# Altium PCB wrist_band_v1.0.PcbDoc (part 1 of 2) (continued)
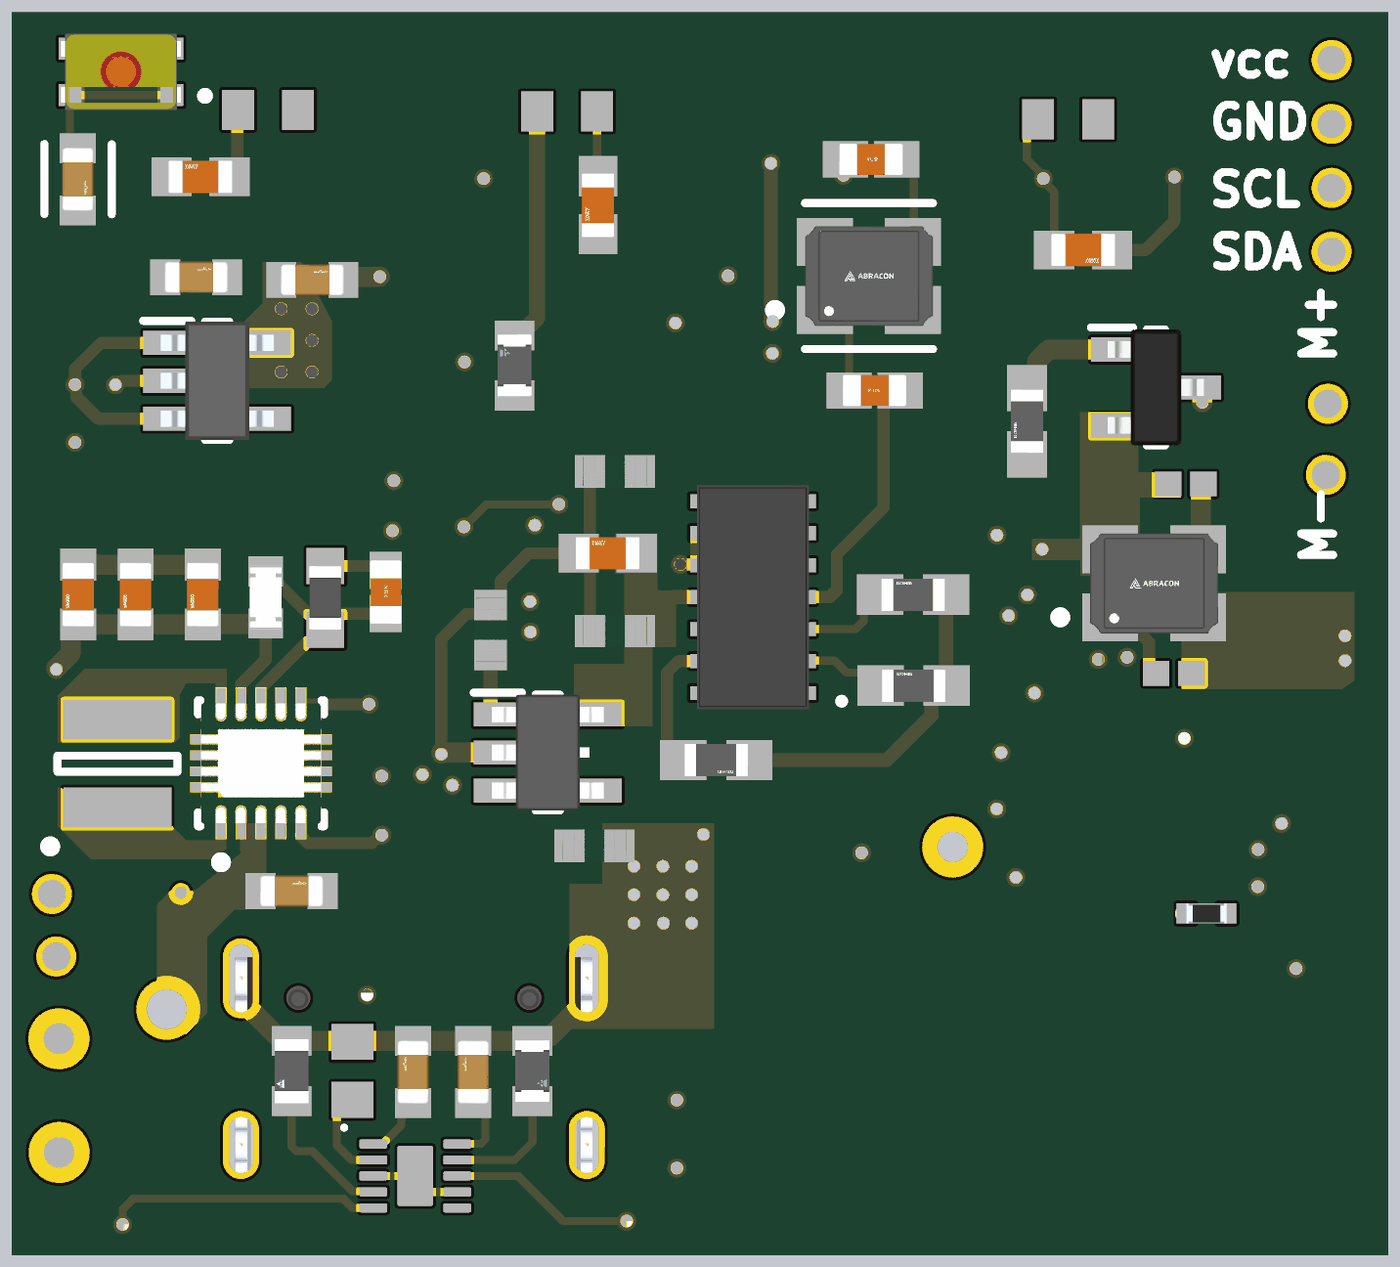
[diagram p8: 3D render of the assembled board from below, using the file's embedded part models]

## Layer stack, top to bottom
Top Solder: solder mask 0.0102, Solder Resist, Dk 3.5
Top Layer: signal copper 0.035
Dielectric 1: prepreg 0.0994, PP-015, Dk 4.1
Layer 1: signal copper 0.0152
Dielectric 4: core 0.55, PP-006, Dk 4.1
Layer 3: signal copper 0.0152
Dielectric 2: prepreg 0.1168, PP-016, Dk 4.4
Layer 4: signal copper 0.0152
Dielectric 5: core 0.55, PP-006, Dk 4.1
Layer 2: signal copper 0.0152
Dielectric 3: prepreg 0.0994, PP-015, Dk 4.1
Bottom Layer: signal copper 0.035
Bottom Solder: solder mask 0.0102, Solder Resist, Dk 3.5

## Board outline
0,0.5 ccw(c0.5,0.5) 0.5,0 33.684,0 33.684,0.004 ccw(c33.684,0.504) 34.184,0.504 34.184,30.304 34.184,30.354 ccw(c33.684,30.354) 33.684,30.854 33.684,30.847 0.509,30.847 ccw(c0.509,30.347) 0.009,30.347 0,30.3

## Design rules (kind name [scope] priority, off if disabled: settings)
BoardOutlineClearance [All] p1: gap=0.2 ignorepadtopadclearanceinfootprint=FALSE
Clearance [All] p1: gap=0.089 ignorepadtopadclearanceinfootprint=FALSE except(0.127: Arc-Via Track-Via SMDPad-Via THPad-Via Via-Via Via-Fill Via-Poly Via-Region Via-Text; 0.2: Arc-Hole Track-Hole SMDPad-Hole THPad-Hole Via-Hole Fill-Hole Poly-Hole Region-Hole Text-Hole)
ComponentClearance [All] p1: gap=0.089 collisioncheckmode=3 verticalgap=0.089 showdistances=TRUE
DiffPairsRouting [All] p1: maxlimit=0.089 minlimit=0.089 mostfreqgap=0.089 toplayer_minwidth=0.089 toplayer_maxwidth=1816.048 toplayer_prefwidth=0.089 midlayer1_minwidth=0.089 midlayer1_maxwidth=1816.048 midlayer1_prefwidth=0.089 midlayer2_minwidth=0.089 midlayer2_maxwidth=1816.048 midlayer2_prefwidth=0.089 midlayer3_minwidth=0.089 midlayer3_maxwidth=1816.048 midlayer3_prefwidth=0.089 midlayer4_minwidth=0.089 midlayer4_maxwidth=1816.048 midlayer4_prefwidth=0.089 bottomlayer_minwidth=0.089 bottomlayer_maxwidth=1816.048 bottomlayer_prefwidth=0.089 maxuncoupledlength=12.7
Height [All] p1: minheight=0 maxheight=1816.048 prefheight=12.7
HoleSize [All] p1: absolutevalues=TRUE maxlimit=6.3 minlimit=0.2 maxpercent=80.000 minpercent=20.000
HoleToHoleClearance [All] p1: gap=0.25 allowstackedmicrovias=FALSE
MinimumAnnularRing [All] p1: minimumring=0.076
MinimumSolderMaskSliver [All] p1: minsoldermaskwidth=0
PlaneClearance [All] p1: clearance=0.089
PlaneConnect PlaneConnectPowerPads [InPadClass('PowerPads')] p1: planeconnectstyle=Direct reliefexpansion=0.508 reliefentries=4 reliefconductorwidth=0.254 reliefairgap=0.254
PlaneConnect [All] p2: pad.planeconnectstyle=Relief pad.reliefexpansion=0.3 pad.reliefentries=4 pad.reliefconductorwidth=0.089 pad.reliefairgap=0.089 via.planeconnectstyle=Direct via.reliefexpansion=0.3 via.reliefentries=4 via.reliefconductorwidth=0.127 via.reliefairgap=0.127
PolygonConnect PolygonConnectPowerPads [All vs (InPadClass('PowerPads'))] p1: connectstyle=Direct reliefconductorwidth=0.254 reliefentries=4 polygonreliefangle="90 Angle" airgapwidth=0.254
PolygonConnect [All] p2: thpad.connectstyle=Relief thpad.reliefconductorwidth=0.089 thpad.reliefentries=4 thpad.polygonreliefangle="90 Angle" thpad.airgapwidth=0.089 smdpad.connectstyle=Relief smdpad.reliefconductorwidth=0.089 smdpad.reliefentries=4 smdpad.polygonreliefangle="90 Angle" smdpad.airgapwidth=0.089 via.connectstyle=Direct via.reliefconductorwidth=0.127 via.reliefentries=4 via.polygonreliefangle="90 Angle" via.airgapwidth=0.127
RoutingVias [All] p1: holewidth=0.2 width=0.45 viastyle="Through Hole" minholewidth=0.2 minwidth=0.45 maxholewidth=6.3 maxwidth=6.55
SilkToSilkClearance [All] p1: silktosilkclearance=0
SilkToSolderMaskClearance [IsPad] p1: minsilkscreentomaskgap=0.089 clearancetoexposedcopper=TRUE
SolderMaskExpansion [All] p1: expansion=0.075 istentingtop=FALSE
Width [All] p1: maxlimit=1816.048 minlimit=0.089 preferedwidth=0.089
20 further rules are at their usual default settings.

## Classes and differential pairs
component class Designator: C40 C41 J1 R20 R21 R22 R23 U4
component class "Pulse Oximeter": A1 A? C28 C29 C30 C31 C32 C33 C34 C35 C36 C37 C38 C39 IC4 L2 L3 L4 R18 R19 Y2
component class "Vibration Motor": C15 D1 Q1 R10 R11
component class "Battery Charger": C13 C14 LED1 LED2 R5 R6 R7 R8 R9 U2
component class "Pulse Oximeter": C8 C9 C10 C11 C12 IC1 IC2 R2 R3 R4
component class Navigation_Buttons: C25 C26 C27 R15 R16 R17
component class MCU: C1 C2 C3 C4 C5 C6 C7 R1 SW1 U1 Y1
component class "DC DC converters": C16 C17 C18 C19 C20 C21 C22 C23 C24 IC3 L1 R12 R13 R14 U3

## Components (designator, comment, footprint, x,y, rotation, side; value= is the part's Value field where it differs from the comment)
A1 "2.4GHz antena" Antena 0.229,5.39 r0 top net-tie
C1 "GRM188R61A106KE69D" FP-GRM18-0_15-MFG 32.65,26.802 r270 bottom value=10uF
C2 "GRM188R61A106KE69D" FP-GRM18-0_15-MFG 16.383,23.513 r90 top value=10uF
C3 "CL10B104KB8NNND" FP-CL10-IPC_A 15.265,9.122 r270 top
C4 "GRM188R61A106KE69D" FP-GRM18-0_15-MFG 14.229,23.519 r90 top value=10uF
C5 "CL10B104KB8NNND" FP-CL10-IPC_A 13.04,9.127 r270 top
C6 "C1608C0G1H220J080AA" FP-C1608-080-0_1-IPC_B 12.717,21.519 r180 bottom
C7 "C1608C0G1H220J080AA" FP-C1608-080-0_1-IPC_B 12.806,27.302 r0 bottom
C8 "CL10A105KP8NNNC" FP-CL10-IPC_C 22.324,15.527 r90 bottom
C9 "CL10A105KP8NNNC" FP-CL10-IPC_C 19.726,10.128 r180 bottom
C10 "CL10A105KP8NNNC" FP-CL10-IPC_C 19.21,15.504 r0 bottom
C11 "06036D106MAT2A" FP-0603-L_1_6_0_15-W_0_81-IPC_B 19.395,17.447 r0 bottom
C12 "CL10A105KP8NNNC" FP-CL10-IPC_C 19.214,19.494 r0 bottom
C13 "GRM188R61A106KE69D" FP-GRM18-0_15-MFG 22.759,4.469 r90 bottom value=10uF
C14 "GRM188R61A106KE69D" FP-GRM18-0_15-MFG 24.265,4.469 r90 bottom value=10uF
C15 "CL10B104KB8NNND" FP-CL10-IPC_A 3.659,21.189 r0 top
C16 "GRM188R61A106KE69D" FP-GRM18-0_15-MFG 30.845,8.961 r0 top value=10uF
C17 "GRM188R61A106KE69D" FP-GRM18-0_15-MFG 27.301,8.996 r180 bottom value=10uF
C18 "CL10B104KB8NNND" FP-CL10-IPC_A 24.538,13.672 r180 top
C19 "CC0603MRX5R5BB226" FP-CC0603-DC-MFG 29.523,16.413 r90 bottom
C20 "CC0603MRX5R5BB226" FP-CC0603-DC-MFG 31.204,16.413 r90 bottom
C21 "CC0603MRX5R5BB226" FP-CC0603-DC-MFG 32.641,16.413 r90 bottom
C22 "C1608C0G1H100D080AA" FP-C1608-080-0_1-IPC_C 24.945,16.477 r270 bottom
C23 "GRM188R61A106KE69D" FP-GRM18-0_15-MFG 26.783,24.287 r180 bottom value=10uF
C24 "GRM188R61A106KE69D" FP-GRM18-0_15-MFG 29.688,24.349 r180 bottom value=10uF
C25 "06036D106MAT2A" FP-0603-L_1_6_0_15-W_0_81-IPC_B 7.499,25.034 r180 bottom
C26 "06036D106MAT2A" FP-0603-L_1_6_0_15-W_0_81-IPC_B 29.58,26.862 r0 bottom
C27 "06036D106MAT2A" FP-0603-L_1_6_0_15-W_0_81-IPC_B 19.637,26.152 r270 bottom
C28 "GRM155R71C103KA01D" CAPC1005X55N 5.427,8.434 r0 top
C29 "GRM1555C1H911JA01D" CAPC1005X55N 5.441,7.43 r0 top
C30 "CL05A106MP5NUNC" FP-CL05A106MP5NUNC-MFG 5.422,6.438 r180 top value=10uF
C31 "GRM155R71C103KA01D" CAPC1005X55N 3.121,9.569 r90 top
C32 "GRM155R71C333KA01D" CAPC1005X55N 7.347,8.413 r180 top
C33 "GJM1555C1H1R5WB01D" CAPC1005X55N 2.609,7.998 r0 top
C34 "GJM1555C1H1R0WB01D" CAPC1005X55N 2.674,7.007 r0 top
C35 "GCM155R71H222KA37D" CAPC1005X55N 2.501,14.361 r0 top
C36 "GRM1555C1H4R7CA01D" CAPC1005X55N 2.488,15.343 r0 top
C37 "GRM155R71C103KA01D" CAPC1005X55N 6.863,14.87 r0 top
C38 "GRM1555C1H220JA01D" CAPC1005X55X25NL05T10 5.23,14.44 r0 bottom
C39 "GRM1555C1H220JA01D" CAPC1005X55X25NL05T10 4.935,19.18 r180 bottom
C40 "GRM188R71H104KA93D" CAPC1608X90X35ML10T15 32.719,20.942 r90 top
C41 "GRM188R71H104KA93D" CAPC1608X90X35ML10T15 32.732,17.12 r270 top
D1 "MBR120ESFT1G" On_Semiconductor_498_MFG 3.077,23.02 r0 top
IC1 "TPS7A2018PDBVR" SOT95P280X145-5N 20.893,12.461 r180 bottom
IC2 "MAX30102EFD+" 14-LEAD-OESIP 15.76,16.349 r0 bottom
IC3 "AP2204K-3.3TRG1" SOT95P282X145-5N 29.164,21.761 r180 bottom
IC4 "NRF24L01-REEL7" QFN50P400X400X80-21N-D 5.67,11.815 r180 top
J1 "TYPE-C-31-M-12" HRO_TYPE-C-31-M-12 24.242,2.644 r0 top
L1 "SRN3015-1R0Y" BOUR-SRN3015-2_V 31.657,12.182 r90 bottom
L2 "ATFC-0402HQ-3N9B-T" INDC1005X37N 1.773,9.673 r270 top
L3 "LQG15HS8N2H02D" LQG15WH0N7B02D 1.748,11.572 r270 top
L4 "MLG1005S0N3BT000" MLG1005 2.547,13.41 r0 top
LED1 "ASCKCR00-BU5V5020402" ASCKCR00BU5V5020402 18.154,0.741 r180 top
LED2 "ASCKCR00-BU5V5020402" ASCKCR00BU5V5020402 30.729,0.657 r180 top
Q1 "SI2302DS" SOT95P230X110-3N 5.68,21.594 r180 bottom
R1 "CRCW060310K0FKEAHP" FP-CRCW0603-HPe3-MFG 21.724,22.146 r90 bottom
R2 "ESR03EZPJ472" FP-ESR03-IPC_A 11.754,16.408 r180 bottom
R3 "ESR03EZPJ472" FP-ESR03-IPC_A 16.678,12.273 r0 bottom
R4 "ESR03EZPJ472" FP-ESR03-IPC_A 11.74,14.133 r180 bottom
R5 "RT0603FRE071K5L" FP-RT0603-MFG 17.664,2.918 r90 top value=1.5KΩ
R6 "RT0603FRE071K5L" FP-RT0603-MFG 30.411,3.146 r90 top value=1.5KΩ
R7 "CRCW06031K00FKEAHP" FP-CRCW0603-HPe3-MFG 27.301,4.494 r270 bottom
R8 "CRCW060310K0FKEAHP" FP-CRCW0603-HPe3-MFG 21.278,4.494 r270 bottom
R9 "ERJ-3EKF5490V" RESC1608X55X30ML15T15 25.778,4.497 r270 bottom
R10 "ESR03EZPF1001" FP-ESR03-IPC_A 8.905,20.751 r90 bottom
R11 "CRCW0603100KJNEA" FP-CRCW0603-e3-IPC_C 8.905,22.042 r270 top
R12 "ERJ-3EKF1004V" FP-ERJ3EK-IPC_C 27.947,16.341 r270 bottom
R13 "ERJ-3EKF1004V" FP-ERJ3EK-IPC_C 25.046,11.224 r90 top
R14 "RN73H1JTTD1113D25" RESC1608X55N 26.456,16.329 r270 bottom
R15 "RC0603JR-0710KL" RESC1608X55X25ML10T15#1 7.876,28.301 r180 bottom
R16 "RC0603JR-0710KL" RESC1608X55X25ML10T15#2 27.889,28.54 r180 bottom
R17 "RC0603JR-0710KL" RESC1608X55X25ML10T15#2 20.409,28.503 r0 bottom
R18 "ERA-2AEB223X" ERA2AED122X 4.415,8.434 r0 bottom
R19 "RC0402FR-071ML" RESC1005X40N 5.723,16.695 r90 top
R20 "RC0603FR-071KL" FP-RC0603-0_55-IPC_C 22.991,18.784 r90 top
R21 "RC0603FR-071KL" FP-RC0603-0_55-IPC_C 22.974,21.556 r270 top
R22 "CRCW06035K10FKEA" FP-CRCW0603-e3-IPC_C 21.914,9.216 r0 top
R23 "CRCW06035K10FKEA" FP-CRCW0603-e3-IPC_C 25.87,9.036 r0 top
SW1 "USLPT2819DT2TR" USLPT2819DT2TR 31.568,29.489 r0 bottom
U1 "ATMEGA328P-AU" ATML-32A_M 15.685,16.67 r270 top
U2 "BQ24040DSQR" DSQ0010A_V 24.207,1.87 r180 bottom
U3 "TPS63060DSCR" FP-DSC0010G-MFG 28.067,12.192 r90 bottom
U4 "CH340C" SOIC127P600X180-16N 27.844,19.92 r0 top
Y1 "ABM8G-16.000MHZ-B4Y-T" FP-ABM8G-MFG 12.858,24.381 r180 bottom
Y2 "ABM8G-16.000MHZ-18-D2Y-T" FP-ABM8G-MFG 5.723,16.695 r180 bottom

## Footprints (in the part's own frame and the unit in brackets; to place one, negate y for a bottom-side part, rotate by r counter-clockwise, add the part's x,y. Pads: shape width x height; smd on the part's side, far side on the other; paste and mask are expansions set on the pad)
14-LEAD-OESIP [mm]
  rect 0.75x0.35 smd: 1(-1.2,2.4) 2(-1.2,1.6) 3(-1.2,0.8) 4(-1.2,0) 5(-1.2,-0.8) 6(-1.2,-1.6) 7(-1.2,-2.4) 8(1.2,-2.4) 9(1.2,-1.6) 10(1.2,-0.8) 11(1.2,0) 12(1.2,0.8) 13(1.2,1.6) 14(1.2,2.4)
  silkscreen extent -2.28,2.54 -2.16,2.66, body extent -1.4,-2.8 1.4,2.8, height 1.3
Antena [mil] "2.4GHz antena"
  round 10 smd: 1(120,15) 2(35,15)
  Top Layer region: 566.93,-193.19 586.61,-193.19 586.61,-18.39 566.93,-18.39
  Top Layer region: 480.32,-173.48 480.32,-193.16 586.61,-193.16 586.61,-173.48
  Top Layer region: 480.32,-193.22 500,-193.22 500,-69.6 480.32,-69.6
  Top Layer region: 381.9,-69.57 381.9,-89.25 500.01,-89.25 500.01,-69.57
  Top Layer region: 381.89,-193.22 401.57,-193.22 401.57,-69.6 381.89,-69.6
  Top Layer region: 295.28,-173.48 295.28,-193.16 401.57,-193.16 401.57,-173.48
  Top Layer region: 295.28,-193.22 314.96,-193.22 314.96,-69.6 295.28,-69.6
  Top Layer region: 196.85,-193.22 216.53,-193.22 216.53,-69.6 196.85,-69.6
  Top Layer region: 19.68,-193.19 55.12,-193.19 55.12,19.41 19.68,19.41
  Top Layer region: 110.24,-193.22 129.92,-193.22 129.92,19.38 110.24,19.38
  Top Layer region: 19.68,-173.48 19.68,-193.16 216.54,-193.16 216.54,-173.48
  Top Layer region: 196.86,-69.57 196.86,-89.25 314.97,-89.25 314.97,-69.57
  Keep-Out Layer region: 0.01,-204.72 598.43,-204.72 598.43,0 0.01,0
ASCKCR00BU5V5020402 [mm]
  rect 0.87x0.5 smd: 1(-0.765,0)
  rect 1.3x0.5 smd: 2(0.55,0)
  silkscreen extent -1.91,-0.56 -1.81,-0.46, body extent -0.8,0 0.8,0.55, height 0.4
ATML-32A_M [mm] "TQFP, 32-Leads, Body 7x7mm, Pitch 0.8mm, IPC Low Density"
  oval 1.7x0.6 smd: 1(-4.35,2.8) 2(-4.35,2) 3(-4.35,1.2) 4(-4.35,0.4) 5(-4.35,-0.4) 6(-4.35,-1.2) 7(-4.35,-2) 8(-4.35,-2.8) 17(4.35,-2.8) 18(4.35,-2) 19(4.35,-1.2) 20(4.35,-0.4) 21(4.35,0.4) 22(4.35,1.2) 23(4.35,2) 24(4.35,2.8)
  oval 0.6x1.7 smd: 9(-2.8,-4.35) 10(-2,-4.35) 11(-1.2,-4.35) 12(-0.4,-4.35) 13(0.4,-4.35) 14(1.2,-4.35) 15(2,-4.35) 16(2.8,-4.35) 25(2.8,4.35) 26(2,4.35) 27(1.2,4.35) 28(0.4,4.35) 29(-0.4,4.35) 30(-1.2,4.35) 31(-2,4.35) 32(-2.8,4.35)
  silkscreen extent -4.47,-3.1 3.1,3.77, body extent -4.5,-4.5 4.5,4.5, height 1.2
BOUR-SRN3015-2_V [mm] "SMD, 2-Leads, Body 3x3mm, Height 1.5mm"
  rect 1x2.7 smd: 1(-1.1,0) 2(1.1,0)
  silkscreen extent -2.19,-1.5 0.2,1.81, body extent -1.5,-1.5 1.5,1.5, height 1.5
CAPC1005X55N [mm]
  rect 0.6x0.62 smd: 1(-0.46,0) 2(0.46,0)
  body extent -0.5,-0.25 0.5,0.25, height 0.55
CAPC1005X55X25NL05T10 [mm] "Chip Capacitor, 2-Leads, Body 1.00x0.50mm, IPC Medium Density"
  rect 0.66x0.62 smd: 1(-0.44,0) 2(0.44,0)
  body extent -0.53,-0.28 0.53,0.27, height 0.55
CAPC1608X90X35ML10T15 [mm] "Chip Capacitor, 2-Leads, Body 1.7x0.9mm, IPC Low Density"
  rect 0.95x1.05 smd: 1(-0.725,0) 2(0.725,0)
  body extent -0.85,-0.45 0.85,0.45, height 0.9
DSQ0010A_V [mm] "SON, 10-Leads, Body 2x2mm, Pitch 0.4mm, Thermal Pad 1.5x0.9mm"
  rrect43% 0.7x0.23 smd: 1(-1.05,0.8) 2(-1.05,0.4) 3(-1.05,0) 4(-1.05,-0.4) 5(-1.05,-0.8) 6(1.05,-0.8) 7(1.05,-0.4) 8(1.05,0) 9(1.05,0.4) 10(1.05,0.8)
  rrect11% 0.9x1.5 smd: 11(0,0)
  silkscreen extent -1.83,1.16 -1.73,1.26, body extent -1,-1 1,1, height 0.8
ERA2AED122X [mm]
  rect 0.475x0.5 smd: 1(-0.512,0) 2(0.512,0)
  body extent -0.5,-0.25 0.5,0.25, height 0.35
FP-0603-L_1_6_0_15-W_0_81-IPC_B [mm]
  rect 1.007x0.968 smd paste+0 mask+0: 1(-0.726,0) 2(0.726,0)
  body extent -0.8,-0.41 0.8,0.41, height 0.94
FP-ABM8G-MFG [mm]
  rect 1.4x1.2 smd paste+0 mask+0: 1(-1.1,-0.85) 2(1.1,-0.85) 3(1.1,0.85) 4(-1.1,0.85)
  silkscreen extent -2.48,-1.82 1.6,1.82, body extent -1.6,-1.25 1.6,1.25, height 1
FP-C1608-080-0_1-IPC_B [mm]
  rect 1.131x0.912 smd paste+0 mask+0: 1(-0.641,0) 2(0.641,0)
  body extent -0.8,-0.4 0.8,0.4, height 0.9
FP-C1608-080-0_1-IPC_C [mm]
  rect 0.931x0.812 smd paste+0 mask+0: 1(-0.541,0) 2(0.54,0)
  body extent -0.8,-0.4 0.8,0.4, height 0.9
FP-CC0603-DC-MFG [mm]
  rect 0.8x0.9 smd paste+0 mask+0: 1(-0.75,0) 2(0.75,0)
  body extent -0.8,-0.4 0.8,0.4, height 1
FP-CL05A106MP5NUNC-MFG [mm]
  rect 0.45x0.675 smd paste+0 mask+0: 1(-0.462,0) 2(0.462,0)
  body extent -0.79,-0.45 0.79,0.45, height 0.25
FP-CL10-IPC_A [mm]
  rect 1.158x1.012 smd paste+0 mask+0: 1(-0.827,0) 2(0.827,0)
  body extent -1.91,-1.01 1.91,1.01, height 0.25
FP-CL10-IPC_C [mm]
  rect 0.758x0.812 smd paste+0 mask+0: 1(-0.627,0) 2(0.627,0)
  body extent -0.8,-0.4 0.8,0.4, height 0.9
FP-CRCW0603-e3-IPC_C [mm]
  rect 0.735x0.862 smd paste+0 mask+0: 1(-0.615,0) 2(0.615,0)
  body extent -0.77,-0.43 0.77,0.43, height 0.5
FP-CRCW0603-HPe3-MFG [mm]
  rect 0.75x1 smd paste+0 mask+0: 1(-0.75,0) 2(0.75,0)
  body extent -0.77,-0.43 0.77,0.43, height 0.55
FP-DSC0010G-MFG [mm]
  round 0.252 smd paste-1000 mask+0: 1(-1.475,1) 2(-1.475,0.5) 3(-1.76,0) 4(-1.76,-0.5) 5(-1.76,-1) 6(1.475,-1) 7(1.475,-0.5) 8(1.75,0) 9(1.75,0.5) 10(1.75,1)
  round 1.53 smd paste-1000 mask+0: 11(0,0)
  Top Layer region: -1.9,0.64 -1.19,0.64 -1.136,0.629 -1.091,0.599 -1.061,0.554 -1.05,0.5 -1.05,0.5 -1.061,0.446 -1.091,0.401 -1.136,0.371 -1.19,0.36 -1.19,0.36 -1.9,0.36
  Top Layer region: -1.9,0.14 -1.19,0.14 -1.136,0.129 -1.091,0.099 -1.061,0.054 -1.05,0 -1.05,0 -1.061,-0.054 -1.091,-0.099 -1.136,-0.129 -1.19,-0.14 -1.19,-0.14 -1.9,-0.14
  Top Layer region: 1.9,0.86 1.19,0.86 1.136,0.871 1.091,0.901 1.061,0.946 1.05,1 1.05,1 1.061,1.054 1.091,1.099 1.136,1.129 1.19,1.14 1.19,1.14 1.9,1.14
  Top Layer region: 1.9,0.36 1.19,0.36 1.136,0.371 1.091,0.401 1.061,0.446 1.05,0.5 1.05,0.5 1.061,0.554 1.091,0.599 1.136,0.629 1.19,0.64 1.19,0.64 1.9,0.64
  Top Layer region: 1.9,-0.14 1.19,-0.14 1.136,-0.129 1.091,-0.099 1.061,-0.054 1.05,0 1.05,0 1.061,0.054 1.091,0.099 1.136,0.129 1.19,0.14 1.19,0.14 1.9,0.14
  Top Layer region: 1.9,-0.64 1.19,-0.64 1.136,-0.629 1.091,-0.599 1.061,-0.554 1.05,-0.5 1.05,-0.5 1.061,-0.446 1.091,-0.401 1.136,-0.371 1.19,-0.36 1.19,-0.36 1.9,-0.36
  Top Layer region: 1.9,-1.14 1.19,-1.14 1.136,-1.129 1.091,-1.099 1.061,-1.054 1.05,-1 1.05,-1 1.061,-0.946 1.091,-0.901 1.136,-0.871 1.19,-0.86 1.19,-0.86 1.9,-0.86
  Top Layer region: -1.9,-0.86 -1.19,-0.86 -1.136,-0.871 -1.091,-0.901 -1.061,-0.946 -1.05,-1 -1.05,-1 -1.061,-1.054 -1.091,-1.099 -1.136,-1.129 -1.19,-1.14 -1.19,-1.14 -1.9,-1.14
  Top Layer region: -1.9,-0.36 -1.19,-0.36 -1.136,-0.371 -1.091,-0.401 -1.061,-0.446 -1.05,-0.5 -1.05,-0.5 -1.061,-0.554 -1.091,-0.599 -1.136,-0.629 -1.19,-0.64 -1.19,-0.64 -1.9,-0.64
  Top Layer region: -1.9,1.14 -1.19,1.14 -1.136,1.129 -1.091,1.099 -1.061,1.054 -1.05,1 -1.05,1 -1.061,0.946 -1.091,0.901 -1.136,0.871 -1.19,0.86 -1.19,0.86 -1.9,0.86
  Top Layer region: -0.85,1.075 -0.725,1.075 -0.725,1.775 -0.475,1.775 -0.475,1.075 -0.325,1.075 -0.325,1.775 -0.075,1.775 -0.075,1.075 0.075,1.075 0.075,1.775 0.325,1.775 0.325,1.075 0.475,1.075 0.475,1.775 0.725,1.775 0.725,1.075 0.85,1.075 0.85,-1.075 0.725,-1.075 0.725,-1.775 0.475,-1.775 0.475,-1.075 0.325,-1.075 0.325,-1.775 0.075,-1.775 0.075,-1.075 -0.075,-1.075 -0.075,-1.775 -0.325,-1.775 -0.325,-1.075 -0.475,-1.075 -0.475,-1.775 -0.725,-1.775 -0.725,-1.075 -0.85,-1.075
  silkscreen extent -2.6,-1.57 1.58,1.58, body extent -1.5,-1.5 1.5,1.5, height 0.8
FP-ERJ3EK-IPC_C [mm]
  rect 0.757x0.862 smd paste+0 mask+0: 1(-0.651,0) 2(0.651,0)
  body extent -0.8,-0.4 0.8,0.4, height 0.55
FP-ESR03-IPC_A [mm]
  rect 1.158x1.012 smd paste+0 mask+0: 1(-0.827,0) 2(0.827,0)
  body extent -0.8,-0.4 0.8,0.4, height 0.55
FP-GRM18-0_15-MFG [mm]
  rect 0.75x0.9 smd paste+0 mask+0: 1(-0.775,0) 2(0.775,0)
  silkscreen extent -0.88,-0.83 0.87,0.85, body extent -0.8,-0.4 0.8,0.4, height 0.95
FP-RC0603-0_55-IPC_C [mm]
  rect 0.659x0.812 smd paste+0 mask+0: 1(-0.677,0) 2(0.677,0)
  silkscreen extent -1.01,-0.85 1.01,0.85, body extent -1.11,-0.55 1.11,0.55, height 0.25
FP-RT0603-MFG [mm]
  rect 0.9x0.8 smd paste+0 mask+0: 1(-0.85,0) 2(0.85,0)
  body extent -0.76,-0.4 0.84,0.4, height 0.58
HRO_TYPE-C-31-M-12 [mm]
  rect 0.6x1.14 smd mask+0.05: A1_B12(-3.2,4.75) A4_B9(-2.4,4.75) B1_A12(3.2,4.75) B4_A9(2.4,4.75)
  rect 0.3x1.14 smd mask+0.05: A5(-1.25,4.75) A6(-0.25,4.75) A7(0.25,4.75) A8(1.25,4.75) B5(1.75,4.75) B6(0.75,4.75) B7(-0.75,4.75) B8(-1.75,4.75)
  oval 0.9x2 hole 0.6 slot 1.7 at 90 deg: S1(-4.325,4.17) S2(4.325,4.17)
  oval 0.9x1.7 hole 0.6 slot 1.4 at 90 deg: S3(-4.325,0) S4(4.325,0)
  round 0.6 hole 0.6 unplated: ""(-2.89,3.68) ""(2.89,3.68)
  silkscreen extent -4.47,1.17 4.47,2.85, body extent -4.47,-2.6 4.47,5.31, height 3.31
INDC1005X37N [mm]
  rect 0.7x0.6 smd: 1(-0.55,0) 2(0.55,0)
  body extent -0.5,-0.25 0.5,0.25, height 0.37
LQG15WH0N7B02D [mm]
  rect 0.35x0.65 smd: 1(-0.425,0) 2(0.425,0)
  body extent -0.5,-0.25 0.5,0.25, height 0.55
MLG1005 [mm]
  rect 0.5x0.5 smd: 1(-0.45,0) 2(0.45,0)
  silkscreen extent -1.1,-0.05 -1,0.05, body extent -0.5,-0.25 0.5,0.25, height 0.5
On_Semiconductor_498_MFG [mm]
  rect 1.25x1.22 smd paste+0 mask+0: 1(-1.475,0) 2(1.475,0)
  silkscreen extent -2.32,0.88 -2.08,1.12, body extent -1.8,-0.82 1.8,0.82, height 0.98
QFN50P400X400X80-21N-D [mm]
  rect 0.85x0.3 smd: 1(-1.95,1) 2(-1.95,0.5) 3(-1.95,0) 4(-1.95,-0.5) 5(-1.95,-1) 11(1.95,-1) 12(1.95,-0.5) 13(1.95,0) 14(1.95,0.5) 15(1.95,1)
  rect 0.3x0.85 smd: 6(-1,-1.95) 7(-0.5,-1.95) 8(0,-1.95) 9(0.5,-1.95) 10(1,-1.95) 16(1,1.95) 17(0.5,1.95) 18(0,1.95) 19(-0.5,1.95) 20(-1,1.95)
  silkscreen extent -2.5,1.63 -2.25,1.87, body extent -2.05,-2.05 2.05,2.05, height 0.8
RESC1005X40N [mm]
  rect 0.7x0.6 smd: 1(-0.55,0) 2(0.55,0)
  body extent -0.51,-0.25 0.51,0.25, height 0.4
RESC1608X55N [mm]
  rect 0.9x0.95 smd: 1(-0.8,0) 2(0.8,0)
  body extent -0.8,-0.4 0.8,0.4, height 0.55
RESC1608X55X25ML10T15#1 [mm] "Chip Resistor, 2-Leads, Body 1.60x0.80mm, IPC Low Density"
  rect 0.8x1 smd: 1(-0.75,0)
  rect 0.8x1 smd mask+0.075: 2(0.75,0)
  body extent -0.85,-0.45 0.85,0.45, height 0.55
RESC1608X55X25ML10T15#2 [mm] "Chip Resistor, 2-Leads, Body 1.60x0.80mm, IPC Low Density"
  rect 0.8x1 smd: 1(-0.75,0) 2(0.75,0)
  body extent -0.85,-0.45 0.85,0.45, height 0.55
RESC1608X55X30ML15T15 [mm] "Chip Resistor, 2-Leads, Body 1.60x0.80mm, IPC Low Density"
  rect 0.9x1.05 smd: 1(-0.725,0) 2(0.725,0)
  body extent -0.87,-0.48 0.87,0.48, height 0.55
SOIC127P600X180-16N [mm]
  rrect25% 1.31x0.62 smd: 1(-2.75,4.445) 2(-2.75,3.175) 3(-2.75,1.905) 4(-2.75,0.635) 5(-2.75,-0.635) 6(-2.75,-1.905) 7(-2.75,-3.175) 8(-2.75,-4.445) 9(2.75,-4.445) 10(2.75,-3.175) 11(2.75,-1.905) 12(2.75,-0.635) 13(2.75,0.635) 14(2.75,1.905) 15(2.75,3.175) 16(2.75,4.445)
  silkscreen extent -2.85,-5 1.78,5.85, body extent -3,-5 3,5, height 1.8
SOT95P230X110-3N [mm]
  rect 1.05x0.6 smd: 1(-1.1,0.95) 2(-1.1,-0.95) 3(1.1,0)
  silkscreen extent -1.62,-1.45 0.22,1.5, body extent -1.2,-1.45 1.2,1.45, height 0.95
SOT95P280X145-5N [mm]
  rect 1.2x0.6 smd: 1(-1.25,0.95) 2(-1.25,0) 3(-1.25,-0.95) 4(1.25,-0.95) 5(1.25,0.95)
  silkscreen extent -1.85,-1.45 0.3,1.5, body extent -1.4,-1.45 1.4,1.45, height 1.2
SOT95P282X145-5N [mm]
  rect 1.2x0.6 smd: 1(-1.25,0.95) 2(-1.25,0) 3(-1.25,-0.95) 4(1.25,-0.95) 5(1.25,0.95)
  silkscreen extent -1.85,-1.48 0.3,1.5, body extent -1.41,-1.48 1.41,1.48, height 1.45
USLPT2819DT2TR [mm]
  rect 0.57x0.55 smd: T1(-1.275,0.58) T2(1.275,0.58) T3(-1.275,-0.58) T4(1.275,-0.58)
  silkscreen extent -2.2,0.5 -2,0.7, body extent -1.5,-0.95 1.5,0.95, height 0.6

## Part data
C1 C2 C4 C13 C14 C16 C17 C23 C24: library part CMP-2000-05448-2, "CAP CER 10UF 10V X5R 0603", Capacitance=10uF, Manufacturer=Murata, Package=GRM18-0.15, Temperature="-55°C to +85°C", Temperature Characteristic=X5R, Temperature Coefficient=15%, Temperature Range High=+85°C, Temperature Range Low=-55°C, Tolerance=10%, Voltage Rating=10V, Automotive=No, Category=Cap, ComponentLink2Description=Datasheet, ComponentLink2URL=https://search.murata.co.jp/Ceramy/image/img/A01X/G101/ENG/GRM188R61A106KE69-01A.pdf, Device Class L1="Passive Components", Device Class L2=Capacitors, Device Class L3="Ceramic Capacitors", Digikey Description="CAP CER 10UF 10V X5R 0603", Height=0.95mm, Lead Free=Yes, Manufacturer Part Number=GRM188R61A106KE69D, Material=Ceramic, Mouser Description="Multilayer Ceramic Capacitors MLCC - SMD/SMT 0603 10uF 10volts X5R + - 10%", Octopart=https://octopart.com/grm188r61a106ke69d-murata-22851381, RoHS=TRUE
C3 C5 C15 C18: library part CMP-13271-000587-1, "Cap Ceramic 100nF 50V X7R ±10% Pad SMD 0603 +125°C T/R", Capacitance=100nF, Case/Package=0603, Dielectric=X7R, Max Operating Temperature=125°C, Min Operating Temperature=-55°C, Package Quantity=10000, Tolerance=10%, Voltage=50V, Depth=0.8mm, Height=0.8mm, Lead Free="Lead Free", Length=1.6mm, Material=Ceramic, Mount="Surface Mount", Packaging="Tape and Reel", Radiation Hardening=No, Thickness=0.035inch, Voltage Rating=50V, Voltage Rating (DC)=50V, Width=0.031inch
C6 C7: library part CMP-2000-06024-2, "CAP CER 22PF 50V C0G 0603", Capacitance=22pF, Case Code (Imperial)=0603, Case Code (Metric)=1608, Dielectric=C0G, Dielectric Material=Ceramic, Max Operating Temperature=125°C, Min Operating Temperature=-55°C, Package Quantity=1, Temperature Coefficient=30ppm/°C, Tolerance=5%, Voltage=50V, Case/Package=0603, Construction=Flat, Depth=0.8mm, Height=0.8mm, Lead Free="Lead Free", Length=1.6mm, Mount="Surface Mount", Number of Pins=2, Packaging="Tape and Reel", Radiation Hardening=No, RoHS Compliant=Yes, Series=C, Termination=SMD/SMT, Thickness=0.037inch, Voltage Rating=50V, Voltage Rating (DC)=50V, Weight=7.1E-05oz, Width=0.031inch
C8 C9 C10 C12: library part CMP-13271-003399-1, "Cap Ceramic 1uF 10V X5R ±10% Pad SMD 0603 +85°C T/R", Capacitance=1uF, Case Code (Imperial)=0603, Case Code (Metric)=1608, Dielectric=X5R, Max Operating Temperature=85°C, Min Operating Temperature=-55°C, Package Quantity=1, Tolerance=10%, Voltage=10V, Case/Package=0603, Contact Plating=Tin, Depth=0.8mm, Height=0.8mm, Length=1.6mm, Mount="Surface Mount", Packaging="Tape and Reel", Radiation Hardening=No, Thickness=0.035inch, Voltage Rating=10V, Width=0.031inch
C11 C25 C26 C27: library part CMP-2006-04476-2, "General Purpose Ceramic Capacitor, 0603, 10uF, 20%, X5R, 15%, 6.3V", Capacitance=10uF, Case Code (Imperial)=0603, Case Code (Metric)=1608, Dielectric=X5R, Dielectric Material=Ceramic, Max Operating Temperature=85°C, Min Operating Temperature=-55°C, Package Quantity=1, Tolerance=20%, Voltage=6.3V, Case/Package=0603, Construction=Flat, Contact Plating=Tin, Depth=0.81mm, Height=0.9mm, Lead Free="Lead Free", Length=1.6mm, Mount="Surface Mount", Number of Pins=2, Packaging="Tape and Reel", Radiation Hardening=No, REACH SVHC="No SVHC", RoHS Compliant=Yes, Series=-, Termination=SMD/SMT, Thickness=0.035inch, Voltage Rating=6.3V, Voltage Rating (DC)=6.3V, Width=0.032inch
C19 C20 C21: library part CMP-2000-06075-2, "CAP CER 22UF 6.3V X5R 0603", Capacitance=22uF, Case Code (Imperial)=0603, Case Code (Metric)=1608, Dielectric=X5R, Max Operating Temperature=85°C, Min Operating Temperature=-55°C, Package Quantity=4000, Resistor Type=Ceramic, Tolerance=20%, Voltage Rating=6.3V, Case/Package=0603, Depth=0.8mm, Halogen Free="Halogen Free", Lead Free="Lead Free", Length=0.063inch, Mount="Surface Mount", Packaging="Tape and Reel", RoHS Compliant=Yes, Termination=SMD/SMT, Thickness=0.035inch, Voltage Rating (DC)=6.3V, Weight=7.1E-05oz, Width=0.031inch
C22: library part CMP-08246-005843-1, "Multilayer Ceramic Capacitors 10pF ±0.5pF 50V C0G SMD 0603", Capacitance=10pF, Case Code (Imperial)=0603, Case Code (Metric)=1608, Dielectric=C0G, Dielectric Material=Ceramic, Max Operating Temperature=125°C, Min Operating Temperature=-55°C, Package Quantity=1, Temperature Coefficient=30ppm/°C, Tolerance=5%, Voltage=50V, Case/Package=0603, Construction=Flat, Depth=0.8mm, Height=0.8mm, Lead Free="Lead Free", Length=1.6mm, Mount="Surface Mount", Number of Pins=2, Packaging="Tape and Reel", Radiation Hardening=No, REACH SVHC="No SVHC", RoHS Compliant=Yes, Series=C, Termination=SMD/SMT, Thickness=0.037inch, Voltage Rating=50V, Voltage Rating (DC)=50V, Weight=7.1E-05oz, Width=0.031inch
C28 C31 C37: "Capacitor", Manufacturer_Name="Murata Electronics", Mouser Part Number=81-GRM36X103K16, Arrow Part Number=GRM155R71C103KA01D, Arrow Price/Stock=https://www.arrow.com/en/products/grm155r71c103ka01d/murata-manufacturing?region=europe, Datasheet Link=http://www.murata.com/~/media/webrenewal/support/library/catalog/products/capacitor/mlcc/c02e.pdf, Height=0.55mm, Manufacturer_Part_Number=GRM155R71C103KA01D, Mouser Price/Stock=https://www.mouser.co.uk/ProductDetail/Murata-Electronics/GRM155R71C103KA01D?qs=8YPuuxuUzMI%252B9QLnzeLwhQ%3D%3D
C29: "Capacitor", Manufacturer_Name="Murata Electronics", Mouser Part Number=81-GRM1555C1H911JA1D, Datasheet Link=http://www.murata.com/~/media/webrenewal/support/library/catalog/products/capacitor/mlcc/c02e.pdf, Height=0.55mm, Manufacturer_Part_Number=GRM1555C1H911JA01D, Mouser Price/Stock=https://www.mouser.co.uk/ProductDetail/Murata-Electronics/GRM1555C1H911JA01D?qs=p6VZ%252BklCkRTpKNdGAzqH7g%3D%3D
C30: library part CMP-13271-000002-1, "CAP CER 10UF 10V X5R 0402", Capacitance=10uF, Manufacturer=Samsung, Temperature="-55°C to +85°C", Temperature Characteristic=X5R, Temperature Coefficient=15%, Temperature Range High=+85°C, Temperature Range Low=-55°C, Tolerance=20%, Voltage Rating=10V, Automotive=No, Category=Cap, ComponentLink2Description=Datasheet, ComponentLink2URL=http://www.samsungsem.com/kr/support/product-search/mlcc/__icsFiles/afieldfile/2019/05/10/19-CL05A106MP5NUNC.pdf, Device Class L1="Passive Components", Device Class L2=Capacitors, Device Class L3="Ceramic Capacitors", Digikey Description="CAP CER 10UF 10V X5R 0402", Height=0.7mm, Ipc Land Pattern Name=CAPC10050X50, Lead Free=Yes, Manufacturer Part Number=CL05A106MP5NUNC, Material=Ceramic, Octopart=https://octopart.com/cl05a106mp5nunc-samsung-22457395, Package=CL05A106MP5NUNC, RoHS=TRUE
C32: "Capacitor", Manufacturer_Name="Murata Electronics", Arrow Part Number=GRM155R71C333KA01D, Arrow Price/Stock=https://www.arrow.com/en/products/grm155r71c333ka01d/murata-manufacturing, Datasheet Link=http://www.murata.com/~/media/webrenewal/support/library/catalog/products/capacitor/mlcc/c02e.pdf, Height=0.55mm, Manufacturer_Part_Number=GRM155R71C333KA01D
C33: "Capacitor", Manufacturer_Name="Murata Electronics", Mouser Part Number=81-GJM1555C1H1R5WB1D, Arrow Part Number=GJM1555C1H1R5WB01D, Arrow Price/Stock=https://www.arrow.com/en/products/gjm1555c1h1r5wb01d/murata-manufacturing?region=nac, Datasheet Link=https://psearch.en.murata.com/capacitor/product/GJM1555C1H1R5WB01%23.html, Height=0.55mm, Manufacturer_Part_Number=GJM1555C1H1R5WB01D, Mouser Price/Stock=https://www.mouser.co.uk/ProductDetail/Murata-Electronics/GJM1555C1H1R5WB01D?qs=YLLXL5qGyDucsRPozQcunA%3D%3D
C34: "Capacitor", Manufacturer_Name="Murata Electronics", Mouser Part Number=81-GJM1555C1H1R0WB1D, Arrow Part Number=GJM1555C1H1R0WB01D, Arrow Price/Stock=https://www.arrow.com/en/products/gjm1555c1h1r0wb01d/murata-manufacturing?region=nac, Datasheet Link=https://psearch.en.murata.com/capacitor/product/GJM1555C1H1R0WB01%23.html, Height=0.55mm, Manufacturer_Part_Number=GJM1555C1H1R0WB01D, Mouser Price/Stock=https://www.mouser.co.uk/ProductDetail/Murata-Electronics/GJM1555C1H1R0WB01D?qs=YLLXL5qGyDtaruZHJwTPNg%3D%3D
C35: "Capacitor", Manufacturer_Name="Murata Electronics", Mouser Part Number=81-GCM155R71H222K37D, Arrow Part Number=GCM155R71H222KA37D, Arrow Price/Stock=https://www.arrow.com/en/products/gcm155r71h222ka37d/murata-manufacturing?region=nac, Datasheet Link=https://psearch.en.murata.com/capacitor/product/GCM155R71H222KA37%23.html, Height=0.55mm, Manufacturer_Part_Number=GCM155R71H222KA37D, Mouser Price/Stock=https://www.mouser.co.uk/ProductDetail/Murata-Electronics/GCM155R71H222KA37D?qs=QDXoN8f0aYKEsLYYwicpIw%3D%3D
C36: "Capacitor", Manufacturer_Name="Murata Electronics", Mouser Part Number=81-GRM1555C1H4R7CA1D, Arrow Part Number=GRM1555C1H4R7CA01D, Arrow Price/Stock=https://www.arrow.com/en/products/grm1555c1h4r7ca01d/murata-manufacturing, Datasheet Link=http://www.murata.com/~/media/webrenewal/support/library/catalog/products/capacitor/mlcc/c02e.pdf, Height=0.55mm, Manufacturer_Part_Number=GRM1555C1H4R7CA01D, Mouser Price/Stock=https://www.mouser.co.uk/ProductDetail/Murata-Electronics/GRM1555C1H4R7CA01D?qs=4k9rjS6ZRl7tSQRzstyMVg%3D%3D
C38 C39: library part CMP-2008-04302-1, Manufacturer=Murata, Part Number=GRM1555C1H220JA01D
C40 C41: library part CMP-2100-03643-1, "Chip Capacitor, 0.1 uF, +/- 10%, 50 V, -55 to 125 degC, 0603 (1608 Metric), RoHS, Tape and Reel", Capacitance=100nF, Case Code (Imperial)=0603, Case Code (Metric)=1608, Dielectric=X7R, Dielectric Material=Ceramic, Insulation Resistance=10GR, Manufacturer=Murata, Max Operating Temperature=125degC, Min Operating Temperature=-55degC, Package Description="2-Pin Surface Mount Device, Body 1.6 x 0.8 mm", Package Quantity=1, Tolerance=10%, Voltage=50V, Case/Package=0603, Contact Plating=Tin, Datasheet URL=http://psearch.en.murata.com/capacitor/product/GRM188R71H104KA93%23.pdf, Datasheet Version=42675.0, Depth=0.8mm, Height=0.8mm, Lead Free=LeadFree, Length=1.6mm, Manufacturer URL=http://www.murata.com/, Material=Ceramic, Mount=SurfaceMount, Number of Pins=2, Package Reference=0603, Packaging=TapeandReel, Radiation Hardening=No, REACH SVHC=NoSVHC, RoHSCompliant=true, Termination=SMD/SMT, Thickness=0.035inch, Voltage Rating=50V, Voltage Rating (DC)=50V, Width=0.8mm
D1: library part CMP-1055-00434-2, Average Rectified Current=1A, Forward Voltage=530mV, Manufacturer Lifecycle Status=ACTIVE, Max Forward Surge Current (Ifsm)=40A, Max Junction Temperature (Tj)=150°C, Max Repetitive Reverse Voltage (Vrrm)=20V, Max Reverse Leakage Current=10µA, Min Operating Temperature=-65°C, Contact Plating=Tin, Current Rating=1A, Element Configuration=Single, Forward Current=1A, Halogen Free="Halogen Free", Height=880µm, Lead Free="Lead Free", Length=2.9mm, Lifecycle Status=Production, Max Operating Temperature=150°C, Max Reverse Voltage (DC)=20V, Max Surge Current=40A, NexarPartId=330787, Number of Pins=2, Output Current=1A, Packaging="Cut Tape", Peak Non-Repetitive Surge Current=40A, Peak Reverse Current=10µA, Polarity=Standard, Radiation Hardening=No, REACH SVHC="No SVHC", Reverse Voltage=20V, RoHS=Compliant, Schedule B=8541100080, Voltage Rating (DC)=20V, Width=1.8mm
IC1: "Integrated Circuit", Manufacturer_Name="Texas Instruments", Mouser Part Number=595-TPS7A2018PDBVR, Arrow Part Number=TPS7A2018PDBVR, Arrow Price/Stock=https://www.arrow.com/en/products/tps7a2018pdbvr/texas-instruments?region=nac, Datasheet Link=https://datasheet.datasheetarchive.com/originals/distributors/Datasheets_SAMA/e65d9d311cedf91014769949f3101225.pdf, Height=1.45mm, Manufacturer_Part_Number=TPS7A2018PDBVR, Mouser Price/Stock=https://www.mouser.co.uk/ProductDetail/Texas-Instruments/TPS7A2018PDBVR?qs=hd1VzrDQEGheW9qdrIVGew%3D%3D
IC2: "Integrated Circuit", Manufacturer_Name="Analog Devices", Mouser Part Number=700-MAX30102EFD+, Datasheet Link=https://datasheets.maximintegrated.com/en/ds/MAX30102.pdf, Manufacturer_Part_Number=MAX30102EFD+, Mouser Price/Stock=https://www.mouser.co.uk/ProductDetail/Analog-Devices-Maxim-Integrated/MAX30102EFD%2b?qs=nVS1qgv%252BQrk9UYEvS27V%2Fg%3D%3D
IC3: "Integrated Circuit", Manufacturer_Name="Diodes Incorporated", Mouser Part Number=621-AP2204K-3.3TRG1, Arrow Part Number=AP2204K-3.3TRG1, Arrow Price/Stock=https://www.arrow.com/en/products/ap2204k-3.3trg1/diodes-incorporated?region=nac, Datasheet Link=https://datasheet.datasheetarchive.com/originals/distributors/Datasheets_SAMA/5d52b656135dbfe7dbe35c76df69cd37.pdf, Height=1.45mm, Manufacturer_Part_Number=AP2204K-3.3TRG1, Mouser Price/Stock=https://www.mouser.co.uk/ProductDetail/Diodes-Incorporated/AP2204K-3.3TRG1?qs=x6A8l6qLYDDMwVlYH0pN0g%3D%3D
IC4: "Integrated Circuit", Manufacturer_Name="Nordic Semiconductor", Mouser Part Number=949-NRF24L01-REEL7, Arrow Part Number=NRF24L01-REEL7, Arrow Price/Stock=null?region=nac, Datasheet Link=https://4donline.ihs.com/images/VipMasterIC/IC/NRSA/NRSAS00020/NRSAS00020-1.pdf?hkey=EF798316E3902B6ED9A73243A3159BB0, Height=0.8mm, Manufacturer_Part_Number=NRF24L01-REEL7, Mouser Price/Stock=https://www.mouser.co.uk/ProductDetail/Nordic-Semiconductor/nRF24L01-REEL7?qs=yd0qOhnSiDfNM3Q865kckA%3D%3D
J1: "USB Connectors 24 Receptacle 1 8.94*7.3mm RoHS", Package=Package, Availability="Not in stock", Check_prices=https://www.snapeda.com/parts/TYPE-C-31-M-12/HRO+Electronics+Co.%252C+Ltd./view-part/?ref=eda, MF="HRO Electronics Co., Ltd.", MP=TYPE-C-31-M-12, Price=None, SnapEDA_Link=https://www.snapeda.com/parts/TYPE-C-31-M-12/HRO+Electronics+Co.%252C+Ltd./view-part/?ref=snap
L1: library part CMP-0007-00007-1, "Semi-shielded Power Inductor, 1 uH, +/- 30%, 2.35 A, -40 to 125 degC, 3 x 3 x 1.5 mm SMD, RoHS and Halogen Free, Tape and Reel", Inductance="1 uH", Inductance tolerance="+/- 30%", Manufacturer=Bourns, Operating Temperature="-40 to 125 degC", Rated current="2.35 A", Resistance to Solder Heat="+260 degC for 10 sec.", ComponentLink1Description="Manufacturer URL", ComponentLink1URL=http://www.bourns.com/, ComponentLink2Description=Datasheet, ComponentLink2URL=http://www.bourns.com/data/global/pdfs/SRN3015.pdf, ComponentLink3Description="Package Specification", ComponentLink3URL=http://www.bourns.com/data/global/pdfs/SRN3015.pdf, DatasheetVersion=Aug-11, DCR Max="0.048 Ohm", Isat="2.35 A", Mounting Technology="Surface Mount", PackageDescription="2-Pin SMD, Body 3 x 3 mm, Height 1.5 mm", PackageReference=SRN3015, Packing="Tape and Reel", PartNumber=SRN3015-1R0Y, RoHS=TRUE, SRF Min="145 MHz"
L2: "Inductor", Manufacturer_Name=ABRACON, Datasheet Link=https://abracon.com/Magnetics/inductors/ATFC-0402HQ.pdf, Height=0.37mm, Manufacturer_Part_Number=ATFC-0402HQ-3N9B-T
L3: "Inductor", Manufacturer_Name="Murata Electronics", Mouser Part Number=81-LQG15HS8N2H02D, Arrow Part Number=LQG15HS8N2H02D, Arrow Price/Stock=https://www.arrow.com/en/products/lqg15hs8n2h02d/murata-manufacturing, Datasheet Link=https://psearch.en.murata.com/inductor/product/LQG15HS8N2H02%23.html, Height=0.55mm, Manufacturer_Part_Number=LQG15HS8N2H02D, Mouser Price/Stock=https://www.mouser.co.uk/ProductDetail/Murata-Electronics/LQG15HS8N2H02D?qs=60uY6ySkanTiptaknJqb2Q%3D%3D
L4: "Inductor", Manufacturer_Name=TDK, Mouser Part Number=810-MLG1005S0N3BT000, Arrow Part Number=MLG1005S0N3BT000, Arrow Price/Stock=https://www.arrow.com/en/products/mlg1005s0n3bt000/tdk, Datasheet Link=https://product.tdk.com/system/files/dam/doc/product/inductor/inductor/smd/catalog/inductor_commercial_high-frequency_mlg1005s_en.pdf, Manufacturer_Part_Number=MLG1005S0N3BT000, Mouser Price/Stock=https://www.mouser.co.uk/ProductDetail/TDK/MLG1005S0N3BT000?qs=u4%252BEJ9urDASg1T%252BCePJhFw%3D%3D
LED1 LED2: "LED", Manufacturer_Name="Avago Technologies", Mouser Part Number=630-ASCKCR00BU5V5020, Datasheet Link=https://docs.broadcom.com/doc/ASCKCx00-xxxxx0x0x02-DS, Height=0.75mm, Manufacturer_Part_Number=ASCKCR00-BU5V5020402, Mouser Price/Stock=https://www.mouser.co.uk/ProductDetail/Broadcom-Avago/ASCKCR00-BU5V5020402?qs=OcgtsXO%252B3gu355%2FiA8jcWA%3D%3D
Q1: "MOSFET (N-Channel)", Manufacturer_Name=Nexperia, Mouser Part Number=N/A, Datasheet Link=https://assets.nexperia.com/documents/data-sheet/SI2302DS.pdf, Height=1.1mm, Manufacturer_Part_Number=SI2302DS, Mouser Price/Stock=https://www.mouser.com/Search/Refine.aspx?Keyword=N%2FA
R1 R8: library part CMP-2000-03835-2, "RES SMD 10K OHM 1% 1/3W 0603", Case Code (Imperial)=0603, Case Code (Metric)=1608, Max Operating Temperature=155°C, Max Power Dissipation=250mW, Min Operating Temperature=-55°C, Package Quantity=10, Resistance=10kR, Temperature Coefficient=100ppm/°C, Tolerance=1%, Voltage Rating=75V, Case/Package=0603, Composition="Thick Film", Contact Plating=Tin, Depth=0.85mm, Features="Automotive AEC-Q200", Height=0.45mm, Lead Free="Lead Free", Length=1.6mm, Military Standard=Not, Number of Terminations=2, Packaging="Tape and Reel", Power Rating=250mW, Radiation Hardening=No, Termination=SMD/SMT, Voltage Rating (DC)=75V, Weight=7.1E-05oz, Width=0.033inch
R2 R3 R4: library part CMP-08839-007853-1, "4.7kΩ ±5% 0.25W 0603 Anti-Surge Chip Resistor AEC-Q200", Case Code (Imperial)=0603, Max Operating Temperature=155°C, Max Power Dissipation=250mW, Min Operating Temperature=-55°C, Package Quantity=5000, Resistance=4.7kR, Resistor Type="Thick Film", Temperature Coefficient=200ppm/°C, Tolerance=5%, Case/Package=0603, Features="Automotive AEC-Q200", Height=0.022inch, Length=0.063inch, Number of Terminations=2, Packaging="Tape and Reel", RoHS Compliant=Yes, Series=ESR, Width=0.031inch
R5 R6: library part CMP-03412-003799-1, "RES SMD 1.5K OHM 1% 1/10W 0603", Manufacturer=Yageo, Package=RT0603, Power Rating=0.1W, Resistance=1.5KΩ, Temperature="-55°C to +155°C", Temperature Coefficient="50 ppm/°C", Temperature Range High=+155°C, Temperature Range Low=-55°C, Tolerance=0.01, Voltage Rating=75V, Automotive=No, Category=Res, ComponentLink2Description=Datasheet, ComponentLink2URL=http://www.yageo.com/documents/recent/PYu-RT_1-to-0.01_RoHS_L_9.pdf, Composition="Thin Film", Device Class L1="Passive Components", Device Class L2=Resistors, Device Class L3="Chip SMD Resistors", Digikey Description="RES SMD 1.5K OHM 1% 1/10W 0603", Footprint Url=http://www.yageo.com/exep/pages/download/literatures/PYu-R_Mount_10.pdf, Height=0.55mm, Ipc Land Pattern Name=RESC16080X45, Lead Free=Yes, Manufacturer Part Number=RT0603FRE071K5L, Mouser Description="Thin Film Resistors - SMD 1/10W 1.5K ohm 1% 50ppm", Octopart=https://octopart.com/rt0603fre071k5l-yageo-39862564, RoHS=TRUE, Series=RT
R7: library part CMP-2000-02970-2, "RES Thick Film, 1kΩ, 1%, 0.33W, 100ppm/°C, 0603", Case Code (Imperial)=0603, Case Code (Metric)=1608, Max Operating Temperature=155°C, Max Power Dissipation=250mW, Min Operating Temperature=-55°C, Package Quantity=10, Resistance=1kR, Temperature Coefficient=100ppm/°C, Tolerance=1%, Voltage Rating=75V, Case/Package=0603, Composition="Thick Film", Contact Plating=Tin, Depth=0.85mm, Features="Automotive AEC-Q200", Height=0.45mm, Lead Free="Lead Free", Length=1.6mm, Military Standard=Not, Mount="Surface Mount", Number of Pins=2, Number of Terminations=2, Packaging="Tape and Reel", Power Rating=250mW, Radiation Hardening=No, Termination=SMD/SMT, Voltage Rating (DC)=75V, Weight=7.1E-05oz, Width=0.8mm
R9: library part CMP-2000-00559-1, Manufacturer=Panasonic, Part Number=ERJ-3EKF5490V
R10: library part CMP-08839-029483-1, "1kΩ ±1% 0.25W 0603 Anti-Surge Chip Resistor AEC-Q200", Case Code (Imperial)=0603, Case Code (Metric)=1608, Max Operating Temperature=155°C, Max Power Dissipation=250mW, Min Operating Temperature=-55°C, Package Quantity=1, Resistance=1kR, Resistor Type="Thick Film", Temperature Coefficient=100ppm/°C, Tolerance=1%, Case/Package=0603, Features="Automotive AEC-Q200", Height=0.022inch, Lead Free="Lead Free", Length=0.063inch, Number of Terminations=2, Packaging="Tape and Reel", Power Rating=250mW, RoHS Compliant=Yes, Series=ESR, Size Code=0603, Width=0.031inch
R11: library part CMP-2000-03823-2, "RES Thick Film, 100kΩ, 5%, 0.1W, 200ppm/°C, 0603", Case Code (Imperial)=0603, Case Code (Metric)=1608, Max Operating Temperature=155°C, Max Power Dissipation=100mW, Min Operating Temperature=-55°C, Package Quantity=1, Resistance=100kR, Temperature Coefficient=200ppm/°C, Tolerance=5%, Voltage Rating=75V, Case/Package=0603, Composition="Thick Film", Contact Plating=Tin, Depth=0.85mm, Features="Automotive AEC-Q200", Height=0.02inch, Length=1.55mm, Military Standard=Not, Mount="Surface Mount", Number of Pins=2, Number of Terminations=2, Packaging="Tape and Reel", Power Rating=100mW, Radiation Hardening=No, Termination=SMD/SMT, Weight=7.1E-05oz, Width=0.85mm, Working Voltage=75V
R12 R13: library part CMP-1012-00849-3, "RES SMD 1M OHM 1% 1/10W 0603", Case Code (Imperial)=0603, Case Code (Metric)=1608, Max Operating Temperature=155°C, Max Power Dissipation=100mW, Min Operating Temperature=-55°C, Package Quantity=1, Resistance=1MR, Resistance Tolerance=1%, Resistor Type="Thick Film", Temperature Coefficient=100ppm/°C, Voltage Rating=75V, Case/Package=0603, Construction=Rectangular, Contact Plating=Tin, Depth=0.8mm, Features="Automotive AEC-Q200", Height=0.022inch, Lead Free="Lead Free", Length=1.6mm, Military Standard=Not, Mount="Surface Mount", Number of Pins=2, Number of Terminations=2, Packaging="Tape and Reel", Power Rating=100mW, Radiation Hardening=No, REACH SVHC="No SVHC", RoHS Compliant=Yes, Series=ERJ, Size Code=0603, Termination=SMD/SMT, Tolerance=1%, Voltage Rating (DC)=75V, Width=0.8mm
R14: "Resistor", Manufacturer_Name="KOA Speer", Mouser Part Number=660-RN73H1JTD1113D25, Datasheet Link=https://www.mouser.com/datasheet/2/219/RN73H-12200.pdf, Height=0.55mm, Manufacturer_Part_Number=RN73H1JTTD1113D25, Mouser Price/Stock=https://www.mouser.co.uk/ProductDetail/KOA-Speer/RN73H1JTTD1113D25?qs=0hon8nwgHrb8JI0BK8RpbQ%3D%3D
R15 R16 R17: library part CMP-2000-05022-1, "Resistor, 10 KOhm, +/- 5%, 100 mW, -55 to 155 degC, 0603 (1608 Metric), RoHS, Tape and Reel", Case Code - in=0603, Case Code - mm=1608, Manufacturer=Yageo, Operating Temperature Range=-55Cto+155C, Package Description="2-Pin Surface Mount Device, Body 1.6 x 0.8 mm", Package Reference=603, Power Rating=100mW, Resistance=10kOhms, Temperature Coefficient=100PPM/C, Tolerance=5%, Voltage Rating=50V, Datasheet URL=http://www.farnell.com/datasheets/443971.pdf, Datasheet Version="Rev. 4, 04/2009", Manufacturer URL=http://www.yageo.com/, Packaging=Reel, Product=ThickFilmResistorsGeneralPurpose, Series=RC, Termination Style=SMD/SMT
R18: "Resistor", Manufacturer_Name=Panasonic, Mouser Part Number=667-ERA-2AEB223X, Arrow Part Number=ERA-2AEB223X, Arrow Price/Stock=https://www.arrow.com/en/products/era2aeb223x/panasonic?region=europe, Datasheet Link=http://industrial.panasonic.com/cdbs/www-data/pdf/RDM0000/AOA0000C307.pdf, Height=0.4mm, Manufacturer_Part_Number=ERA-2AEB223X, Mouser Price/Stock=https://www.mouser.co.uk/ProductDetail/Panasonic/ERA-2AEB223X?qs=YFwoyZoVY0gOqA4AmOyJ2g%3D%3D
R19: "Resistor", Manufacturer_Name=KEMET, Mouser Part Number=603-RC0402FR-071ML, Datasheet Link=http://www.yageo.com/documents/recent/PYu-RC0402_51_RoHS_L_6_r.pdf, Height=0.4mm, Manufacturer_Part_Number=RC0402FR-071ML, Mouser Price/Stock=https://www.mouser.co.uk/ProductDetail/YAGEO/RC0402FR-071ML?qs=V1yeUXFNrknfoI4987wfBQ%3D%3D